# Altium PCB Velvet_Controller_V1.2_2023.PcbDoc (part 2 of 4) (continued)
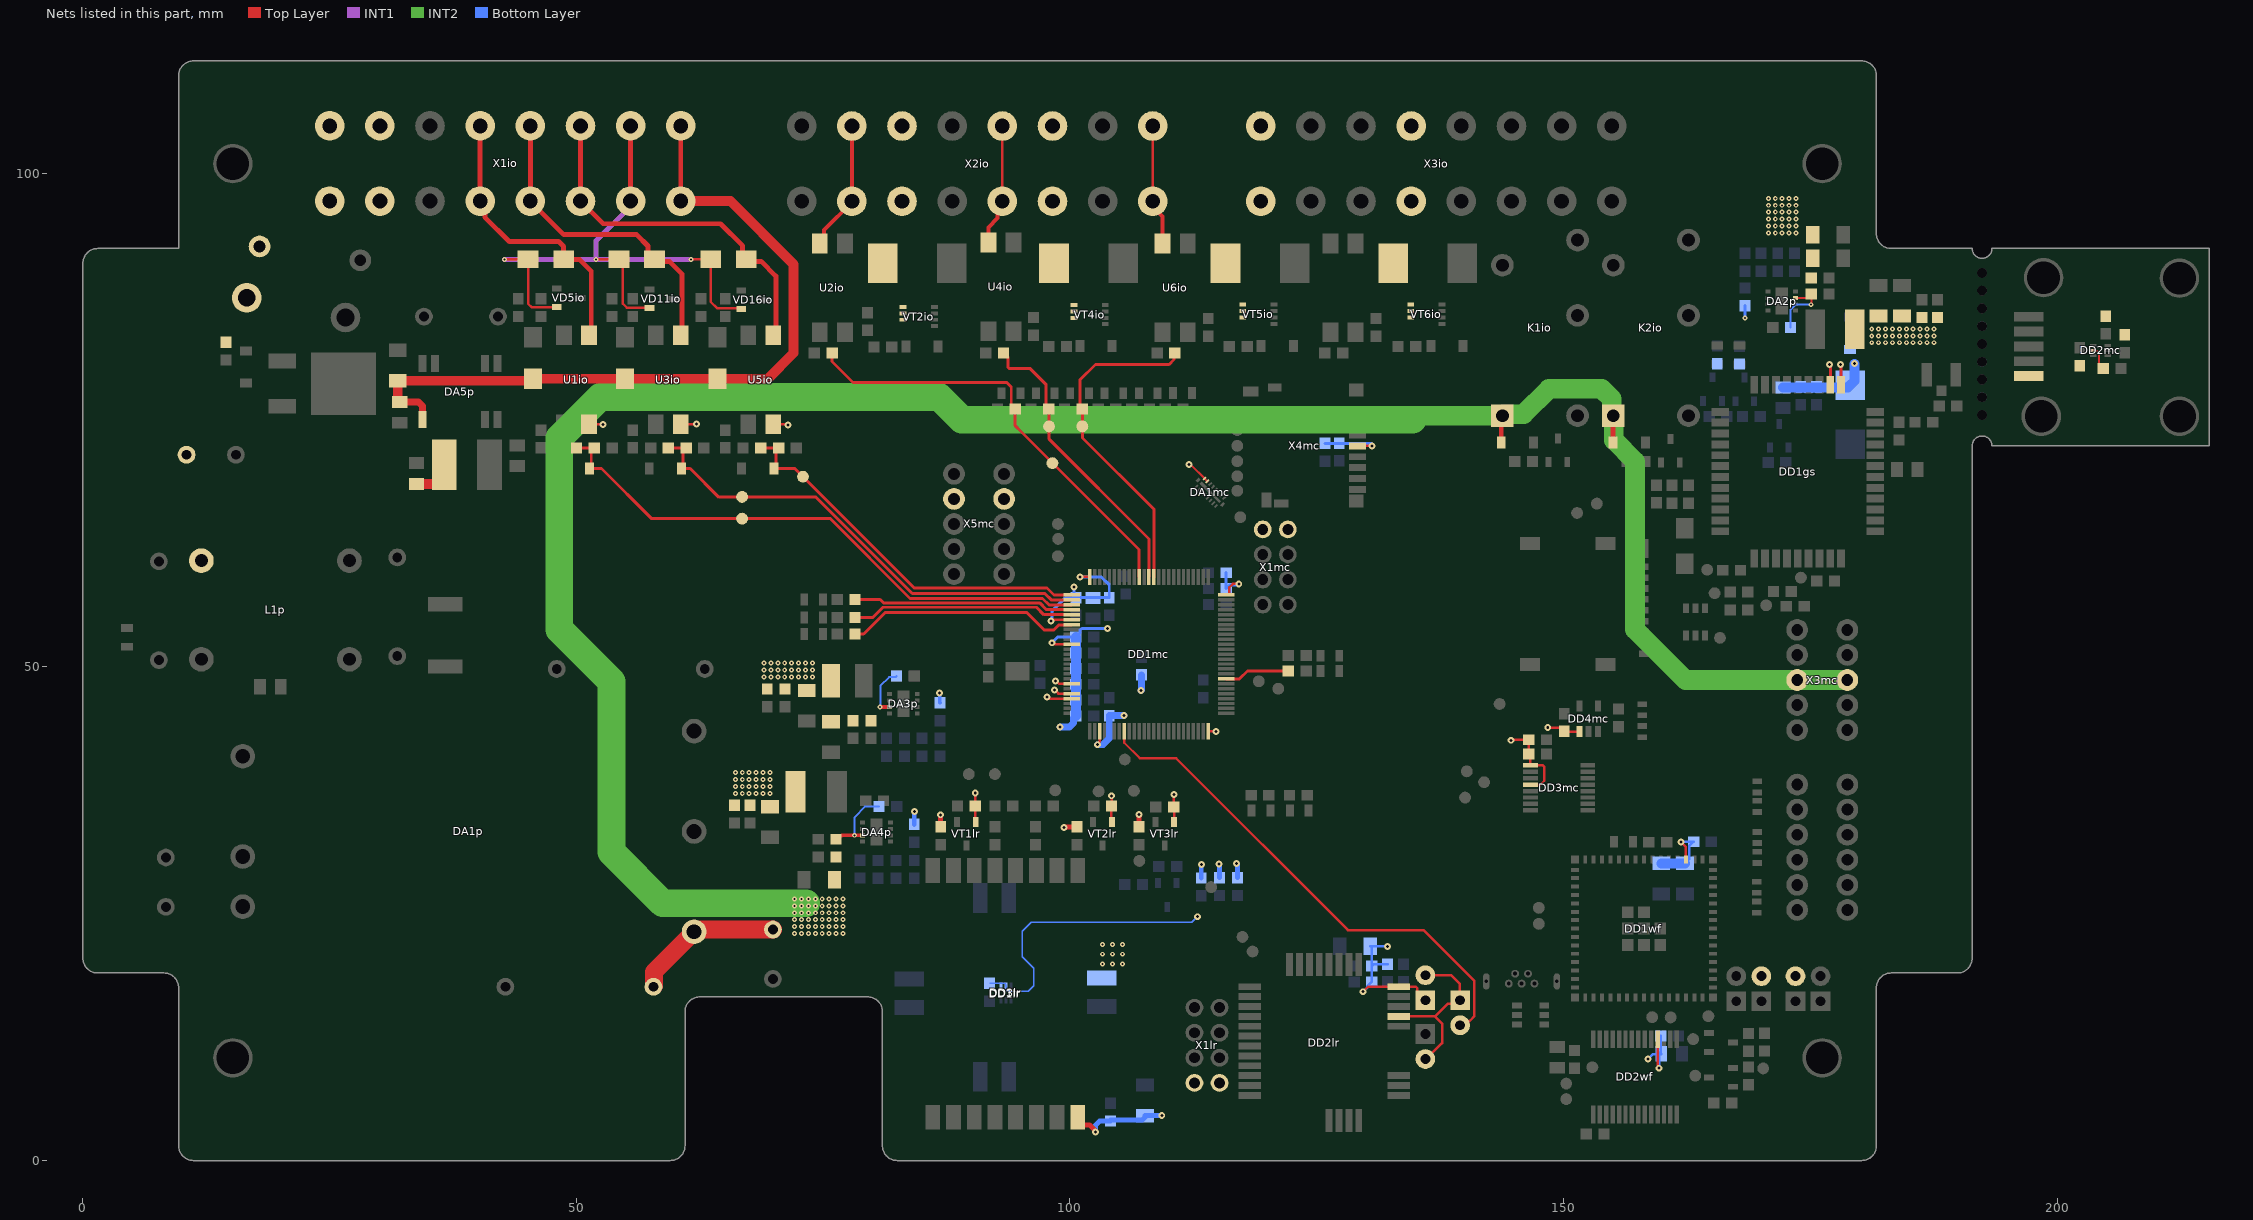
[diagram p4: the nets of this part, all layers, seen from the top]
## Part data (continued)
R7p: "RES SMD 59K OHM 5% 1/10W 0603", Manufacturer 1="Stackpole Electronics Inc", Max Operating Temperature=155°C, Min Operating Temperature=-55°C, Package=0603, Power Rated=100mW, Ratings=AEC-Q200, Resistance=59k, Supplier Part Number 1=RMCF0603FT59K0CT-ND, Tolerance=5%, Voltage Rated=75V, Manufacturer Part Number 1=RMCF0603FT59K0, Supplier 1=Digi-Key
R9p R10p R15p: "RES SMD 15K OHM 1% 1/10W 0603", Manufacturer 1="Stackpole Electronics Inc", Max Operating Temperature=155°C, Min Operating Temperature=-55°C, Package=0603, Power Rated=100mW, Ratings=AEC-Q200, Resistance=15k, Supplier Part Number 1=RMCF0603FT15K0CT-ND, Tolerance=1%, Voltage Rated=75V, Manufacturer Part Number 1=RMCF0603FT15K0, Supplier 1=Digi-Key
R10lr R11lr: "RES SMD 2K OHM 1% 1/10W 0603", Manufacturer 1="Stackpole Electronics Inc", Max Operating Temperature=155°C, Min Operating Temperature=-55°C, Package=0603, Rated Power=100mW, Rated Voltage=75V, Resistance=2k, Tolerance=1%, Manufacturer Part Number 1=RMCF0603FT2K00, Qualification=AEC-Q200
R12lr R13lr R14lr R15lr: "RES SMD 18 OHM 5% 1/2W 1210", Manufacturer 1="Stackpole Electronics Inc", Max Operating Temperature=155°C, Min Operating Temperature=-55°C, Package=1210, Rated Power=0.5W, Rated Voltage=200V, Resistance=18R, Tolerance=5%, Manufacturer Part Number 1=RMCF1210JT18R0, Qualification=AEC-Q200
R12p: "RES SMD 110K OHM 1% 1/10W 0603", Manufacturer 1="Stackpole Electronics Inc", Max Operating Temperature=155°C, Min Operating Temperature=-55°C, Package=0603, Power Rated=100mW, Ratings=AEC-Q200, Resistance=110k, Supplier Part Number 1=RMCF0603FT110KCT-ND, Tolerance=5%, Voltage Rated=75V, Manufacturer Part Number 1=RMCF0603FT110K, Supplier 1=Digi-Key
R13p: "RES SMD 220 OHM 1% 0.4W 0805", Manufacturer 1="Rohm Semiconductor", Max Operating Temperature=155°C, Min Operating Temperature=-55°C, Package=0805, Power Rated=0.4W, Ratings=AEC-Q200, Resistance=220, Supplier Part Number 1=RHM220AECT-ND, Tolerance=1%, Voltage Rated=100V, Manufacturer Part Number 1=ESR10EZPF2200, Supplier 1=Digi-Key
R14p: "RES SMD 33K OHM 1% 1/10W 0603", Manufacturer 1="Stackpole Electronics Inc", Max Operating Temperature=155°C, Min Operating Temperature=-55°C, Package=0603, Power Rated=100mW, Ratings=AEC-Q200, Resistance=33k, Supplier Part Number 1=RMCF0603FT33K0CT-ND, Tolerance=1%, Voltage Rated=75V, Manufacturer Part Number 1=RMCF0603FT33K0, Supplier 1=Digi-Key
R18mc: "RES SMD 100 OHM 1% 1/10W 0603", Manufacturer 1="Stackpole Electronics Inc", Max Operating Temperature=155°C, Min Operating Temperature=-55°C, Package=0603, Rated Power=100mW, Rated Voltage=75V, Resistance=100R, Supplier Part Number 1=RMCF0603FT100RCT-ND, Tolerance=1%, Manufacturer Part Number 1=RMCF0603FT100R, Qualification=AEC-Q200, Supplier 1=Digi-Key
RU1p: "VARISTOR 47V 2KA DISC 20MM S20K30", Current - Surge=2kA, Manufacturer="EPCOS Inc", Maximum AC Volts=30V, Maximum DC Volts=38W, Package / Case="Disc 20mm", Supplier Part Number 1=495-2405-ND, Varistor Voltage (Min)=42.3V, ComponentLink1Description=Datasheet, ComponentLink1URL=https://www.tdk-electronics.tdk.com/inf/70/db/var/SIOV_Leaded_StandarD.pdf?ref_disty=digikey, Energy=26J, Manufacturer Part Number=B72220S0300K101, Number of Circuits=1, RoHS Compliant=Yes, Supplier 1=Digi-Key
TP1io TP1lr TP1wf TP2gs TP2io TP2lr TP2mc TP2wf TP3io TP3wf TP4gs TP4io TP4mc TP4wf TP5gs TP5io TP5mc TP5wf TP6gs TP6io TP6mc TP6wf TP7gs TP7io TP7mc TP8mc TP8wf TP9gs TP9io TP9mc TP9wf TP10gs TP10mc TP10wf TP11gs TP11io TP11mc TP11wf TP12gs TP12lr TP12mc TP12wf TP13lr TP13mc TP14lr TP14mc TP15mc TP16lr TP16mc TP17mc TP18lr TP19lr TP20lr: library part "Testpoint 1.2mm"
U1io U2io U3io U4io U5io U6io U7io: "OPTOISOLATOR 5.3KV TRANS 4-SMD", Manufacturer 1="Vishay Semiconductor Opto Division", Max Current Transfer Ratio=320%, Max Operating Temperature=100°C, Max Output Current=50mA, Max Output Voltage=70V, Min Current Transfer Ratio=100%, Min Operating Temperature=-55°C, Package=4-SOIC, Manufacturer Part Number 1=SFH6206-3T, Mounting=SM, Output Type=Transistor, Rise/Fall Time=3us, Turn On/Off Time=3us
VD1gs: "DIODE ZENER 5.1V 500MW SOD123", Manufacturer 1="Vishay General Semiconductor - Diodes Division", Max Operating Temperature=150°C, Max Power=500mW, Min Operating Temperature=-55°C, Package=SOD-123, Reverse Current=5uA, Tolerance=5%, Zener Voltage=5.1V, Manufacturer Part Number 1=MMSZ5231B-E3-08, Max Impedance="17 Ohm", Mounting=SM
VD1io VD3io VD8io VD10io VD14io: "DIODE GEN PURP 100V 150MA SOD123", Manufacturer 1="Micro Commercial Co", Max Forward Current=150mA, Max Operating Temperature=150°C, Max Voltage DC=100V, Max Voltage RMS=71V, Maximum Forward Voltage=1.25V, Min Operating Temperature=-65°C, Package=SOD-123, ComponentLink1Description="Help URL", Manufacturer Part Number 1=1N4148W-TP, Max Voltage Peak=100V
VD1mc VD1wf VD2mc VD2p VD3mc VD4gs VD4mc VD5gs VD5mc VD6mc VD7mc VD8mc VD9mc VD10mc VD11mc VD12mc VD13mc: "LED GREEN CLEAR SMD R/A", Forward Voltage=2.2V, Manufacturer 1="Lite-On Inc.", Max Continious Current=30mA, Max Operating Temperature=+85°C, Max Pulse Current=120mA, Min Operating Temperature=-55°C, Package=0805, Power Dissipation=100mW, Reverse Voltage=5V, Manufacturer Part Number 1=LTST-S220GKT
VD1p VD19io VD20io VD21io VD22io: "DIODE ZENER 12V 200MW SOD123", Manufacturer 1="Micro Commercial Co", Max Operating Temperature=150°C, Max Power=200mW, Min Operating Temperature=-65°C, Package=SOD-123, Reverse Current=100nA, Supplier Part Number 1=BZT52C12-TPMSCT-ND, Tolerance=5%, Zener Voltage=12V, Manufacturer Part Number 1=BZT52C12-TP, Max Impedance="28 Ohm", Mounting=SM, Supplier 1=Digi-Key
VD2gs VD2wf: "TVS DIODE 5VWM SOT23-6", Manufacturer 1=STMicroelectronics, Max Operating Temperature=125°C, Max Pulse Power=80W, Min Operating Temperature=-40°C, Package=SOT-23-6, Voltage - Breakdown (Min)=6.1V, Voltage - Reverse Standoff (Typ)=5V, Manufacturer Part Number 1=ESDA6V1BC6, Mounting=SM, Number Of Chanels=4, Type=Biderectional
VD2io VD7io VD13io: "TVS DIODE 36VWM 58.1VC DO214AC", Current - Peak Pulse (10/1000µs)=6.9A, Manufacturer 1="Littelfuse Inc.", Max Operating Temperature=150°C, Max Pulse Power=400W, Min Operating Temperature=-65°C, Package=SMA, Supplier Part Number 1=SMAJ36CALFCT-ND, Voltage - Breakdown (Min)=40V, Voltage - Clamping (Max) @ Ipp=58.1V, Voltage - Reverse Standoff (Typ)=36V, Manufacturer Part Number 1=SMAJ36CA, Mounting=SM, Number Of Chanels=1, Supplier 1=Digi-Key, Type=Biderectional
VD3gs: "TVS DIODE 5VWM 9.2VC DO214AC", Current - Peak Pulse (10/1000µs)="28A (8/20µs)", Manufacturer 1="Littelfuse Inc.", Max Operating Temperature=150°C, Max Pulse Power=350W, Min Operating Temperature=-65°C, Package=SMA, Voltage - Breakdown (Min)=6.4V, Voltage - Clamping (Max) @ Ipp=9.2V, Voltage - Reverse Standoff (Typ)=5V, Manufacturer Part Number 1=SMAJ5.0CA, Mounting=43.5A, Number Of Chanels=6, Type=Biderectional
VD4io VD9io VD15io: "DIODE GEN PURP 1KV 1A SMA", Manufacturer 1="SMC Diode Solutions", Max Forward Current=1A, Max Operating Temperature=175°C, Max Voltage DC=1000V, Max Voltage RMS=700V, Maximum Forward Voltage=1.1V, Min Operating Temperature=-65°C, Package="SMA (DO-214AC)", ComponentLink1Description="Help URL", Manufacturer Part Number 1=S1M, Max Voltage Peak=1000V
VD5io VD11io VD16io: "DIODE ZENER ARRAY 4.7V 300MW SOT23", Manufacturer 1="Vishay General Semiconductor - Diodes Division", Max Operating Temperature=150°C, Max Power=300mW, Min Operating Temperature=-55°C, Package=SOT-23-3, Reverse Current=-, Supplier Part Number 1=AZ23C4V7-HE3-08GICT-ND, Tolerance=5%, Zener Voltage=4.7V, Manufacturer Part Number 1=AZ23C4V7-HE3-08, Max Impedance="78 Ohm", Mounting=SM, Supplier 1=Digi-Key
VD6io VD12io VD17io VD18io: "TVS DIODE 36VWM 58.1VC DO214AB", Current - Peak Pulse=25.9A, Manufacturer 1="Littelfuse Inc.", Max Clamping Voltage=58.1V, Max Operating Temperature=150°C, Max Pulse Power=1500W, Min Operating Temperature=-55°C, Package=SMC, Typical Breakdown Voltage=40V, Manufacturer Part Number 1=SMCJ36A, Mounting=SM
VD14mc VD15mc VD16mc VD17mc VD18mc VD19mc VD20mc VD21mc: "TVS DIODE 3.3VWM 9VC 2DFN", Current - Peak Pulse (10/1000µs)="80A (8/20µs)", Manufacturer 1="Littelfuse Inc.", Max Operating Temperature=125°C, Max Pulse Power=720W, Min Operating Temperature=-40°C, Package=0603, Supplier Part Number 1=F10154CT-ND, Voltage - Breakdown (Min)=3.4V, Voltage - Clamping (Max) @ Ipp=9V, Voltage - Reverse Standoff (Typ)=3.3V, Manufacturer Part Number 1=SP1103C-01UTG, Mounting=SM, Number Of Chanels=1, Supplier 1=Digi-Key, Type=Biderectional
VT1gs VT1io VT1lr VT1wf VT2gs VT2lr VT2wf VT3gs VT3io VT3lr: "MOSFET N-CH 50V 220MA SOT23", Input Capacitance=60pF, Manufacturer 1="Micro Commercial Co", Max Drain Current=220mA, Max Operating Temperature=150°C, Max Power Dissipation=350mW, Min Operating Temperature=-55°C, Package=SOT-23, Supplier Part Number 1=BSS138-TPMSCT-ND, Gate Charge=1.65nC, Manufacturer Part Number 1=BSS138-TP, Mounting Type=SM, Rds On (Max)=3.5Ohm, Supplier 1=Digi-Key, Type=P-Chanel, Vds Max=50V, Vgs Max=20V, Vth=1.5V
VT1p: "MOSFET P-CH 40V 12A TO-252", Input Capacitance=930pF, Manufacturer 1="Goford Semiconductor", Max Drain Current=12A, Max Operating Temperature=150°C, Max Power Dissipation=50W, Min Operating Temperature=-55°C, Package=TO-252, Supplier Part Number 1=3141-G12P04KCT-ND, Gate Charge=25nC, Manufacturer Part Number 1=G12P04K, Mounting Type=SM, Rds On (Max)=35mOhm, Supplier 1=Digi-Key, Type=P-Chanel, Vds Max=40V, Vgs Max=20V, Vth=2.5V
VT2io VT4io VT5io VT6io: "MOSFET N-CH 100V 42A MLPAK33", Input Capacitance=1855pF, Manufacturer 1="Toshiba Semiconductor and Storage", Max Drain Current=40A, Max Operating Temperature=175°C, Max Power Dissipation=630mW, Min Operating Temperature=-55°C, Package=8-PowerVDFN, Supplier Part Number 1=264-TPN1200APLL1QCT-ND, Gate Charge=24nC, Manufacturer Part Number 1=TPN1200APL,L1Q, Mounting Type=SM, Rds On (Max)=11.5mOhm, Supplier 1=DigiKey, Type=N-MOSFET, Vds Max=100V, Vgs Max=20V, Vth=2.5V
VT4lr: "MOSFET N-CH 20V 4.2A SOT23-3", Input Capacitance=594pF, Manufacturer 1="Diodes Incorporated", Max Drain Current=4.2A, Max Operating Temperature=150°C, Max Power Dissipation=800mW, Min Operating Temperature=-55°C, Package=SOT-23-3, Supplier Part Number 1=DMG2302U-7DICT-ND, Gate Charge=7nC, Manufacturer Part Number 1=DMG2302U-7, Mounting Type=SM, Rds On (Max)=90mOhm, Supplier 1=Digi-Key, Type=P-Chanel, Vds Max=20V, Vgs Max=8V, Vth=1V
X1gs: "CONN UMCC JACK STR 50OHM SMD"
X1io X2io X3io: "TERMINAL BLOCK 8 PIN 5.08mm 15A 250V T/H", Manufacturer 1="CIXI KEFA ELECTRONICS CO.,LTD.", Max Operating Temperature=105℃, Min Operating Temperatire=-40℃, Rated Current=10A, Rated Voltage=250V, Manufacturer Part Number 1=KF142V-5.08-8P, Max Height=14.2mm, Max Length=43.18mm, Max Width=13.7mm, Pins=8+8, Pitch="5.08mm x 7.62mm", Suitable Wire=14...22AWG
X1lr X1mc: "CONN HEADER VERT 8POS 2.54MM 2ROWx4", Manufacturer 1="Samtec Inc.", Max Operating Temperature=125℃, Min Operating Temperatire=-55℃, Rated Current=2A, Rated Voltage=400V, Supplier Part Number 1=SAM8996-ND, Contact Length - Mating=5.84mm, Contact Length - Post=2.54mm, Insulation Height=2.54mm, Manufacturer Part Number 1=TSW-104-07-F-D, Overall Contact Length=10.92mm, Pitch=2.54mm, Supplier 1=Digi-Key
X1wf: "MICRO B SKT, VERTICAL, TH, 30\",", Current Rating (Amps)=1A, Manufacturer 1=GCT, Max Operating Temperature=85°C, Min Operating Temperature=-55°C, Voltage - Rated=30V, Connector Type="USB - micro B", Gender=Receptacle, Manufacturer Part Number 1=USB3131-30-0230-A, Mounting=T/H, Mounting Feature=Vertical, Number of Ports=1, Specifications="USB 2.0"
X2mc: "TERMINAL BLOCK 6 PIN 2.54mm 2A 150V T/H", Manufacturer 1="CIXI KEFA ELECTRONICS CO.,LTD.", Max Operating Temperature=105℃, Min Operating Temperatire=-40℃, Rated Current=10A, Rated Voltage=150V, Manufacturer Part Number 1=KF141V-2.54-6P, Max Height=13.8mm, Max Length=17.78mm, Max Width=12.7mm, Pins=6+6, Pitch="2.54mm x 5.08mm", Suitable Wire=20...26AWG
X3mc X5mc: "TERMINAL BLOCK 5 PIN 2.54mm 2A 150V T/H", Manufacturer 1="CIXI KEFA ELECTRONICS CO.,LTD.", Max Operating Temperature=105℃, Min Operating Temperatire=-40℃, Rated Current=10A, Rated Voltage=150V, Manufacturer Part Number 1=KF141V-2.54-5P, Max Height=13.8mm, Max Length=15.24mm, Max Width=12.7mm, Pins=5+5, Pitch="2.54mm x 5.08mm", Suitable Wire=20...26AWG
X4mc: "CONN MICRO SD CARD PUSH-PULL R/A", Manufacturer 1="Amphenol ICC (Commercial Products)", Supplier Part Number 1=114-00841-68-1-ND, Card Type="Secure Digital - microSD™", Connector Type=Connector, Contact Finish=Gold, Contact Finish Thickness=0.38µm, Features=Switch, Insertion, Removal Method="Push In, Pull Out", Manufacturer Part Number 1=114-00841-68, Mounting=SM, Number of Positions="10 (8 + 2)", Supplier 1=Digi-Key
XS1gs: "CONN SMART CARD", Manufacturer 1="Würth Elektronik eiSos GmbH", ComponentLink1 Description=Manufacturer, ComponentLink1URL=http://www.we-online.de, ComponentLink2 Description=Datasheet, ComponentLink2URL=http://katalog.we-online.de/em/datasheet/693022010811.pdf, Connector Type=Connector, Manufacturer Part Number 1=693023010811, Pins=8, Shielding=Shielded
ZQ1mc: "CRYSTAL 8.0000MHZ 18PF SMD", ESR (Equivalent Series Resistance)="140 Ohms", Frequency=8MHz, Frequency Stability=±30ppm, Load Capacitance=18pF, Manufacturer 1="Abracon LLC", Max Operating Temperature=85°C, Min Operating Temperature=-40°C, Package="2-SMD, No Lead", Manufacturer Part Number 1=ABM3-8.000MHZ-D2Y-T, Mounting Type=SM

## Free pads (board coordinates)
  round 4 hole 3.3: 4(15.2,10.4) 4(15.2,101) 4(176.2,10.4) 4(176.2,101) 4(198.4,75.4) 4(198.625,89.45) 4(212.4,75.4) 4(212.4,89.4)
  rect 3x1 smd: 5(197.125,79.475) 5(197.125,80.975) 5(197.125,82.475) 5(197.125,83.975) GND_TS(197.125,85.475)
  round 1 hole 1 unplated: 6(192.4,75.525) 6(192.4,77.325) 6(192.4,79.125) 6(192.4,80.925) 6(192.4,82.725) 6(192.4,84.525) 6(192.4,86.325) 6(192.4,88.125) 6(192.4,89.925)

## Via types
v1: diameter 0.5, hole 0.2, Top Layer to Bottom Layer, tented both sides, 510 vias
v2: diameter 0.7, hole 0.3, Top Layer to Bottom Layer, tented both sides, 220 vias

## Nets (pads, with @x,y where several pads share a name; then routed paths per layer and width w, separated by ;. In a path a pad name is that pad's centre, name@x,y a point inside that pad or via, vN(x,y) a via of type N, cw(c..) or ccw(c..) an arc to the next point about the centre after c; other vN are vias at no path point)
+3.3V: C3lr.1 C3mc.1 C3wf.1 C4lr.1 C4mc.1 C4wf.1 C5lr.1 C5mc.1 C5wf.1 C6wf.1 C7lr.1 C7wf.1 C10mc.1 C11mc.1 C12mc.1 C13mc.1 C14mc.1 C15mc.1 C16mc.1 C17mc.1 C18mc.1 C19mc.1 C20mc.1 C21mc.1 C22mc.1 C22p.1 C23mc.2 C23p.1 C24mc.1 C24p.1 DA1mc.15 DA1mc.16 DD1mc.6 DD1mc.11 DD1mc.19 DD1mc.21 DD1mc.22 DD1mc.28 DD1mc.50 DD1mc.75 DD1mc.100 DD1wf.3 DD2lr.24 DD2wf.4 DD3lr.4 DD3lr.5 DD3mc.1 DD3mc.4 DD4mc.1 JP1wf.2 JP2lr.1 JP3wf.2 L3p.2 R1lr.2 R3lr.2 R5lr.2 R6p.1 R7lr.2 R18lr.2 R19lr.2 R20lr.2 U1io.4 U3io.4 U5io.4 VT1lr.1 VT2lr.1 VT3lr.1 X1lr.4 X1lr.5 X1mc.4 X1mc.5 X4mc.4 X5mc.4 X5mc.9 | length 157.8
  Top Layer w0.2: v2(112.05,70.5) 112.146,70.404 112.322,70.404 DA1mc.16@113.632,69.095 DA1mc.15@113.915,68.812
  Top Layer w0.25: U1io.4@51.27,74.6 51.295,74.575 v2(52.7,74.575) ; U3io.4@60.57,74.6 v2(62.175,74.6) ; U5io.4@69.94,74.6 71.375,74.6 v2(71.45,74.525) ; v2(90.4,37.225) R1lr.2@90.4,35.9 90.4,34.35 VT1lr.1@90.45,34.3 ; v2(97.675,46.95) 97.797,46.95 97.947,46.8 DD1mc.22@100.175,46.8 ; v2(98.175,52.45) 98.297,52.45 98.447,52.3 DD1mc.11@100.175,52.3 ; v2@98.347,54.8 DD1mc.6@100.175,54.8 ; v2(98.45,47.65) 98.471,47.65 98.821,47.3 DD1mc.21@100.175,47.3 ; v2(98.525,48.575) 98.621,48.575 98.896,48.3 DD1mc.19@100.175,48.3 ; v2(101.025,59.125) DD1mc.100@102,59.125 ; v2(102.775,42.125) 102.775,42.175 103,42.4 DD1mc.28@103,43.475 ; v2(104.225,36.95) 104.225,35.925 R3lr.2@104.2,35.9 104.2,34.35 VT2lr.1@104.25,34.3 ; v2(110.525,37.1) 110.5,37.075 R5lr.2@110.5,35.8 110.55,35.75 VT3lr.1@110.55,34.3 ; DD1mc.50@114,43.475 v2(114.8,43.475) ; DD1mc.75@115.825,57.3 116.1,57.3 116.15,57.35 116.15,58.078 116.497,58.425 v2(117.1,58.425) ; X4mc.4@129.125,72.4 130.575,72.4 v2(130.6,72.375) ; v2(129.7,17.1) 130.2,17.6 DD2lr.24@133.305,17.6 135.041,17.6 135.187,17.454 135.187,17.049 JP2lr.1@136,16.236 JP2lr.1@136.23,16.236 ; v2(144.675,42.575) 144.725,42.625 C3mc.1@146.475,42.625 C4mc.1@146.475,41.2 146.65,41.025 DD3mc.1@146.65,40.025 147.9,40.025 148.046,39.879 148.046,38.471 147.65,38.075 DD3mc.4@146.65,38.075 ; v2(148.4,43.85) 149.7,43.85 C5mc.1@150.075,43.475 150.1,43.45 DD4mc.1@151.6,43.45 ; DD2wf.4@159.525,12.275 159.525,9.622 159.675,9.472 v2(159.675,9.35) ; v2(161.9,32.275) 162.4,31.775 DD1wf.3@162.4,30.5
  Bottom Layer w0.15: C7lr.1@91.85,17.95 93.429,17.95 93.504,17.875 DD3lr.5@93.504,17.715 93.557,17.662 93.557,17.265 93.667,17.155 95.78,17.155 96.325,17.7 96.325,19.476 95.15,20.651 95.15,23.212 96.063,24.125 111.849,24.125 111.874,24.15 112.35,24.15 v2(112.9,24.7)
  Bottom Layer w0.25: v2(129.7,17.1) 130.13,17.53 130.13,17.676 130.555,18.101 C5lr.1@130.58,18.101 C4lr.1@130.58,19.701 ; v2(132.175,21.675) 132.149,21.701 C3lr.1@130.43,21.701 130.58,21.551 C4lr.1@130.58,19.701 ; R7lr.2@132.18,19.901 130.78,19.901 C4lr.1@130.58,19.701 ; v2(158.575,10.3) 159.025,10.75 C6wf.1@159.525,10.75 ; v2(159.675,9.35) 159.675,10.6 C6wf.1@159.525,10.75 ; C7wf.1@159.85,12.625 C6wf.1@159.85,11.475 ; v2(161.9,32.275) C5wf.1@163.125,32.275 ; C3wf.1@162.3,30.1 162.725,30.525 162.725,31.875 C5wf.1@163.125,32.275 ; C5wf.1@163.175,32.3 163.15,32.275 C5wf.1@163.125,32.275 ; C6wf.1@159.525,10.75 159.85,11.075 C6wf.1@159.85,11.475 ; C6wf.1@159.525,10.75 159.9,10.75 C6wf.1@159.9,10.825 159.85,10.825 C6wf.1@159.85,11.475
  Bottom Layer w0.3: v2(98.075,54.65) 98.152,54.727 98.152,54.977 98.2,55.026 98.2,55.7 99.525,57.025 C21mc.1@100.625,57.025 ; v2(98.175,52.45) 98.75,53.025 C19mc.1@100.6,53.025 100.625,53.025 101.025,53.425 101.025,53.724 101.201,53.9 v2(103.8,53.9) ; v2(100.4,58.1) 100.4,57.25 C21mc.1@100.625,57.025 ; v2(101.025,59.125) 103.175,59.125 103.975,58.325 C15mc.1@103.975,57.025 102.35,57.025 C21mc.1@100.625,57.025 ; C20mc.1@115.825,59.55 C16mc.1@115.825,57.95 116.2,58.325 116.892,58.325 116.992,58.425 v2(117.1,58.425) ; C24mc.1@125.825,72.65 130.6,72.65 v2(130.6,72.375)
  Bottom Layer w0.381: v2(86.8,47.375) 86.812,47.363 86.812,46.382 R6p.1@86.825,46.369
  Bottom Layer w0.5: R20lr.2@113.3,28.625 113.3,29.975 v2(113.325,30) ; v2(115.075,30.025) 115.075,29.971 115.15,29.896 R18lr.2@115.15,28.65 ; v2(116.875,30.1) 116.975,30 R19lr.2@116.975,28.65
  Bottom Layer w0.7: v2(99,43.9) 99.965,43.9 100.375,44.31 100.375,44.85 100.575,45.05 C10mc.1@100.6,45.05 ; v2(102.775,42.125) 103.325,42.125 103.975,42.775 C17mc.1@103.975,45.075 v2(105.475,45.075) ; v2(107.2,47.6) 107.25,47.65 C12mc.1@107.25,49.2
  Bottom Layer w1: C10mc.1@100.6,45.05 C13mc.1@100.6,46.65 C11mc.1@100.6,48.25 C14mc.1@100.6,49.85 C18mc.1@100.6,51.425 C19mc.1@100.6,53.025 ; C4wf.1@159.9,30.1 C3wf.1@162.3,30.1
  other v1: 69,49 69.7,49 70.4,49 71.1,49 71.8,49 72.5,49 73.2,49 73.9,49 69,49.7 69.7,49.7 70.4,49.7 71.1,49.7 71.8,49.7 72.5,49.7 73.2,49.7 73.9,49.7 69,50.4 69.7,50.4 70.4,50.4 71.1,50.4 71.8,50.4 72.5,50.4 73.2,50.4 73.9,50.4
+3.3V_TS: C1mc.1 DD2mc.5 pad.5@197.125,79.475 R1mc.2 R2mc.2 R3mc.2 | length 2.5
  Top Layer w0.2: DD2mc.5@203.66,82.075 203.71,82.025 204.083,82.025 204.245,81.863 204.245,81.321 204.245,80.655 C1mc.1@204.675,80.225
+4V: C1gs.1 C2gs.1 C3gs.1 C4gs.1 C18p.1 C19p.1 C20p.1 C21p.1 DD1gs.34 DD1gs.35 L2p.2 R5p.1 R10gs.2 R11gs.2 VD1gs.1 | length 14.7
  Top Layer w0.3: v2(176.925,80.65) 176.925,80.542 177.025,80.442 DD1gs.35@177.025,78.6 ; v2(178.075,80.65) 178.125,80.6 DD1gs.34@178.125,78.6
  Bottom Layer w0.3: v1(168.4,85.35) R5p.1@168.4,86.6
  Bottom Layer w1: C2gs.1@172.225,78.325 178.825,78.325 C1gs.1@179.05,78.55 179.475,78.975 v2(179.475,80.725)
  other v1: 181.225,82.85 181.925,82.85 182.625,82.85 183.325,82.85 184.025,82.85 184.725,82.85 185.425,82.85 186.125,82.85 186.825,82.85 187.525,82.85 181.225,83.55 181.925,83.55 182.625,83.55 183.325,83.55 184.025,83.55 184.725,83.55 185.425,83.55 186.125,83.55 186.825,83.55 187.525,83.55 181.225,84.25 181.925,84.25 182.625,84.25 183.325,84.25 184.025,84.25 184.725,84.25 185.425,84.25 186.125,84.25 186.825,84.25 187.525,84.25
+5V: C1lr.1 C2lr.1 C33p.1 C34p.1 C35p.1 C36p.1 DD1lr.9 L4p.2 L5p.1 R2lr.2 R4lr.2 R6lr.2 R12p.2 | length 20
  Top Layer w0.5: v2(86.875,35.025) 86.9,35.025 R2lr.2@86.9,33.8 ; v2(99.4,33.725) 99.4,33.8 R4lr.2@100.7,33.8 ; DD1lr.9@100.791,4.373 100.791,4.102 101.291,3.602 101.998,3.602 102.562,3.038 102.562,2.992 v2@102.572,2.992 ; v2(106.975,35.05) 106.975,33.8 R6lr.2@107,33.8
  Top Layer w1: C36p.1@33.8,68.55 35.85,68.55 36.6,69.3 L5p.1@36.6,70.5
  Bottom Layer w0.5: R12p.2@84.225,34.05 84.225,35.325 v2(84.25,35.35) ; v2(102.6,2.9) 102.6,3.6 103,4 C2lr.1@104.1,4 ; C2lr.1@104.1,4.125 104.287,4.125 104.4,4.125 107.352,4.125 C1lr.1@107.777,4.55 ; C1lr.1@107.6,4.55 C1lr.1@107.777,4.55 ; v2(109.3,4.575) 109.275,4.55 C1lr.1@107.777,4.55
  other v1: 66.1,37.2 66.8,37.2 67.5,37.2 68.2,37.2 68.9,37.2 69.6,37.2 66.1,37.9 66.8,37.9 67.5,37.9 68.2,37.9 68.9,37.9 69.6,37.9 66.1,38.6 66.8,38.6 67.5,38.6 68.2,38.6 68.9,38.6 69.6,38.6 66.1,39.3 66.8,39.3 67.5,39.3 68.2,39.3 68.9,39.3 69.6,39.3
+5V_DI: C38p.1 DA5p.8 R13p.2 VD4io.2 VD9io.2 VD15io.2 X1io.8 X1io.16 | length 78.1
  Top Layer w0.5: X1io.8@60.565,97.2 X1io.16@60.565,104.82
  Top Layer w0.7: R13p.2@32.1,76.85 33.98,76.85 34.39,76.44 DA5p.8@34.39,75.062
  Top Layer w1: R13p.2@32.1,76.85 32,76.85 31.9,76.95 C38p.1@31.9,79 45.41,79 VD4io.2@45.61,79.2 VD15io.2@64.28,79.2 69.4,79.2 72,81.8 72,90.8 65.6,97.2 X1io.8@60.565,97.2
+12V: C1p.2 C3p.1 C10p.1 C11p.1 C12p.1 C13p.1 C15p.1 C16p.1 C17p.1 C29p.1 C30p.1 C31p.1 DA1p.4 DA2p.3 DA3p.3 DA4p.3 K1io.1 K2io.1 R3p.2 R4p.1 R11p.1 R15lr.2 VD1io.1 VD10io.1 X3mc.3 X3mc.8 | length 265.5
  Top Layer w0.2: DA2p.3@173.5,87.4 174.7,87.4 C13p.1@175.1,87.8 175.1,86.725 v1(175.075,86.7)
  Top Layer w0.381: C31p.1@76.3,32.55 76.66,32.91 76.867,32.91 76.908,32.95 v1(78.175,32.95) DA4p.3@79,32.95 ; v1@80.725,45.969 v1(80.75,45.944) DA3p.3@81.725,45.944
  Top Layer w0.5: VD1io.1@143.69,72.725 143.69,75.35 K1io.1@143.8,75.46 ; VD10io.1@155.03,72.75 155.03,75.45 K2io.1@155.04,75.46
  Top Layer w1.8: C1p.2@57.85,17.7 57.85,19.11 62.054,23.314 62.549,23.314 62.635,23.4 C3p.1@69.9,23.4
  INT2 w2: 134.7,75.05 135.11,75.46 K1io.1@143.8,75.46 143.95,75.61 145.96,75.61 148.525,78.175 153.868,78.175 154.89,77.153 154.89,75.61 155.099,75.401 155.099,72.976 157.25,70.825 157.25,53.8 162.37,48.68 X3mc.8@178.75,48.68
  INT2 w2.8: 73.25,26.075 58.725,26.075 53.55,31.25 53.55,48.525 48.275,53.8 48.275,73.225 52.4,77.35 86.75,77.35 89.05,75.05 134.7,75.05
  Bottom Layer w0.2: v1(78.175,32.95) 78.175,34.775 79.275,35.875 R11p.1@80.65,35.875 ; v1(80.75,45.944) 80.8,45.995 80.8,48.1 81.667,48.967 82.322,48.967 R4p.1@82.425,49.069 ; R3p.2@173,84.4 173,86.2 173.5,86.7 v1(175.075,86.7)
  other v1: 103.3,19.9 104.3,19.9 105.3,19.9 103.3,20.9 104.3,20.9 105.3,20.9 103.3,21.9 104.3,21.9 105.3,21.9 72.1,23 72.8,23 73.5,23 74.2,23 74.9,23 75.6,23 76.3,23 77,23 72.1,23.7 72.8,23.7 73.5,23.7 74.2,23.7 74.9,23.7 75.6,23.7 76.3,23.7 77,23.7 72.1,24.4 72.8,24.4 73.5,24.4 74.2,24.4 74.9,24.4 75.6,24.4 76.3,24.4 77,24.4 72.1,25.1 72.8,25.1 73.5,25.1 74.2,25.1 74.9,25.1 75.6,25.1 76.3,25.1 77,25.1 72.1,25.8 72.8,25.8 73.5,25.8 74.2,25.8 74.9,25.8 75.6,25.8 76.3,25.8 77,25.8 72.1,26.5 72.8,26.5 73.5,26.5 74.2,26.5 74.9,26.5 75.6,26.5 76.3,26.5 77,26.5 170.75,93.975 171.45,93.975 172.15,93.975 172.85,93.975 173.55,93.975 170.75,94.675 171.45,94.675 172.15,94.675 172.85,94.675 173.55,94.675 170.75,95.375 171.45,95.375 172.15,95.375 172.85,95.375 173.55,95.375 170.75,96.075 171.45,96.075 172.15,96.075 172.85,96.075 173.55,96.075 170.75,96.775 171.45,96.775 172.15,96.775 172.85,96.775 173.55,96.775 170.75,97.475 171.45,97.475 172.15,97.475 172.85,97.475 173.55,97.475
+PWR: FU1p.1 X1io.1 X1io.9
-PWR: C4p.2 L1p.3 R2p.1 RU1p.1 X1io.2 X1io.10
ADC_LINK: DD1mc.58 R17mc.2 | length 6.6
  Top Layer w0.3: DD1mc.58@115.825,48.8 117.174,48.8 117.974,49.6 R17mc.2@122.125,49.6
BOOT0_LoRa: DD2lr.21 JP1lr.1 JP2lr.2 JP3lr.2 | length 17.7
  Top Layer w0.25: DD2lr.21@133.305,14.6 136.983,14.6 ; JP3lr.2@136.08,10.276 137.7,11.896 137.7,13.883 136.983,14.6 ; JP2lr.2@136.23,18.776 138.599,18.776 139.505,17.87 JP1lr.1@139.505,16.24 ; JP1lr.1@139.525,16.24 139.525,15.893 138.276,15.893 136.983,14.6
BOOT0_LoRa_MK: DD1mc.33 JP1lr.2 | length 52
  Top Layer w0.25: DD1mc.33@105.5,43.475 105.5,42.325 107.075,40.75 110.75,40.75 128.15,23.35 135.8,23.35 140.975,18.175 140.975,14.625 140.51,14.16 140.458,14.16 139.999,13.7 JP1lr.2@139.525,13.7
DI0: U1io.1 VD2io.2 X1io.4 X1io.12 | length 29.8
  Top Layer w0.5: X1io.12@40.245,104.82 X1io.4@40.245,97.2 40.723,96.722 40.723,95.577 43.2,93.1 48.2,93.1 48.7,92.6 VD2io.2@48.7,91.3 50.3,91.3 51.5,90.1 51.5,83.83 U1io.1@51.27,83.6
DI0_LED: DD1mc.7 R11mc.2 | length 23.8
  Top Layer w0.3: R11mc.2@78.225,53.35 79.1,53.35 81.25,55.5 95.65,55.5 97.425,53.725 98.325,53.725 98.875,54.275 100.15,54.275 DD1mc.7@100.175,54.3
DI0_MK: C1io.1 DD1mc.3 R4io.1 TP6io.1 VD3io.1 | length 58.1
  Top Layer w0.3: R4io.1@50.01,72.2 51.5,72.2 VD3io.1@51.5,70.1 ; VD3io.1@51.345,70.1 VD3io.1@51.5,70.1 ; DD1mc.3@100.175,56.3 97.875,56.3 97.225,56.95 83.8,56.95 75.725,65.025 57.625,65.025 52.55,70.1 VD3io.1@51.5,70.1
DI1: U3io.1 VD7io.2 X1io.5 X1io.13 | length 32.7
  Top Layer w0.5: X1io.13@45.325,104.82 X1io.5@45.325,97.2 48.725,93.8 56.1,93.8 57.245,92.655 57.245,91.95 57.895,91.3 VD7io.2@57.9,91.3 58.107,91.093 59.407,91.093 60.7,89.8 60.7,83.73 U3io.1@60.57,83.6
DI1_LED: DD1mc.5 R12mc.2 | length 22.7
  Top Layer w0.3: R12mc.2@78.225,55.025 80.025,55.025 81.05,56.05 96.6,56.05 97.35,55.3 DD1mc.5@100.175,55.3
DI1_MK: C2io.1 DD1mc.2 R12io.1 TP4io.1 VD8io.1 | length 49.1
  Top Layer w0.3: R12io.1@59.31,72.2 60.645,72.2 C2io.1@61.11,72.2 60.8,71.89 60.8,70.255 VD8io.1@60.645,70.1 61.525,70.1 64.425,67.2 74.275,67.2 84.025,57.45 97.45,57.45 98.1,56.8 DD1mc.2@100.175,56.8
DI2: U5io.1 VD13io.2 X1io.6 X1io.14 | length 37.3
  Top Layer w0.5: X1io.14@50.405,104.82 X1io.6@50.405,97.2 52.705,94.9 64.6,94.9 66.843,92.657 66.843,91.657 67.407,91.093 68.707,91.093 70.2,89.6 70.2,83.86 U5io.1@69.94,83.6
DI2_LED: DD1mc.4 R13mc.2 | length 22.4
  Top Layer w0.3: R13mc.2@78.225,56.825 80.775,56.825 81.1,56.5 96.925,56.5 97.625,55.8 DD1mc.4@100.175,55.8
DI2_MK: C3io.1 DD1mc.1 R19io.1 TP2io.1 VD14io.1 | length 39.6
  Top Layer w0.3: R19io.1@68.68,72.2 70.015,72.2 C3io.1@70.48,72.2 70.2,71.92 70.2,70.285 VD14io.1@70.015,70.1 72.125,70.1 72.613,69.612 73.05,69.175 84.22,58.005 97.67,58.005 98.375,57.3 DD1mc.1@100.175,57.3
DI_COM: VD2io.1 VD5io.2 VD7io.1 VD11io.2 VD13io.1 VD16io.2 X1io.7 X1io.15 | length 63.4
  Top Layer w0.25: v1(42.7,91.3) VD2io.1@45.1,91.3 45.1,86.8 45.45,86.45 VD5io.2@48,86.45 ; v1(52,91.3) VD7io.1@54.3,91.3 54.7,90.9 54.7,86.796 55.096,86.4 57.35,86.4 VD11io.2@57.4,86.35 ; v1(61.6,91.3) VD13io.1@63.6,91.3 63.6,87 64.25,86.35 66.6,86.35 VD16io.2@66.7,86.25
  Top Layer w0.5: X1io.7@55.485,97.2 X1io.15@55.485,104.82
  INT1 w0.5: v1(42.7,91.3) v1(52,91.3) ; X1io.7@55.485,97.2 55.485,96.685 52,93.2 v1(52,91.3) ; v1(61.6,91.3) v1(52,91.3)
DO0: VD6io.2 VT2io.5 VT2io.6 VT2io.7 VT2io.8 X2io.3 X2io.11
DO0_MK: DD1mc.90 R1io.1 R10mc.2 TP11io.1 | length 44.7
  Top Layer w0.3: R1io.1@75.9,81.825 75.9,80.95 78.025,78.825 79.725,78.825 93.6,78.825 94.05,78.375 94.05,76.525 R10mc.2@94.45,76.125 94.45,74.45 95.038,73.862 107,61.9 DD1mc.90@107,59.125
DO0_PWR: U2io.4 X2io.2 X2io.10 | length 13.2
  Top Layer w0.4: U2io.4@74.655,92.9 75.091,93.336 75.091,94.266 77.905,97.08 X2io.2@77.905,97.18 X2io.10@77.905,104.8
DO1: VD12io.2 VT4io.5 VT4io.6 VT4io.7 VT4io.8 X2io.6 X2io.14
DO1_MK: DD1mc.88 R9mc.2 R10io.1 TP9io.1 | length 30
  Top Layer w0.3: R10io.1@93.26,81.825 93.285,81.825 93.685,81.425 93.685,81.4 93.7,81.385 93.7,80.401 93.876,80.225 95.975,80.225 97.55,78.65 97.55,76.425 R9mc.2@97.85,76.125 97.85,73.125 108,62.975 DD1mc.88@108,59.125
DO1_PWR: U4io.4 X2io.5 X2io.13 | length 12.4
  Top Layer w0.25: X2io.5@93.145,97.18 X2io.13@93.145,104.8
  Top Layer w0.4: U4io.4@91.73,93 91.73,94.53 92.678,95.478 92.678,96.713 X2io.5@93.145,97.18
DO2: VD17io.2 VT5io.5 VT5io.6 VT5io.7 VT5io.8 X3io.1 X3io.9
DO2_MK: DD1mc.87 R8mc.2 R21io.1 TP7io.1 | length 34.2
  Top Layer w0.3: R8mc.2@101.25,76.125 101,76.375 101,79.075 102.575,80.65 110.05,80.65 110.538,81.138 110.538,81.738 R21io.1@110.625,81.825 ; R8mc.2@101.268,76.125 101.268,73.207 108.525,65.95 108.525,59.15 DD1mc.87@108.5,59.125
DO2_PWR: U6io.4 X2io.8 X2io.16 | length 12.3
  Top Layer w0.25: X2io.8@108.385,97.18 X2io.16@108.385,104.8
  Top Layer w0.4: X2io.8@108.385,97.18 108.385,96.641 109.38,95.646 U6io.4@109.38,92.9
DO3: VD18io.2 VT6io.5 VT6io.6 VT6io.7 VT6io.8 X3io.4 X3io.12